# Altium PCB vestibular_vampire.PcbDoc (part 2 of 2) (continued)
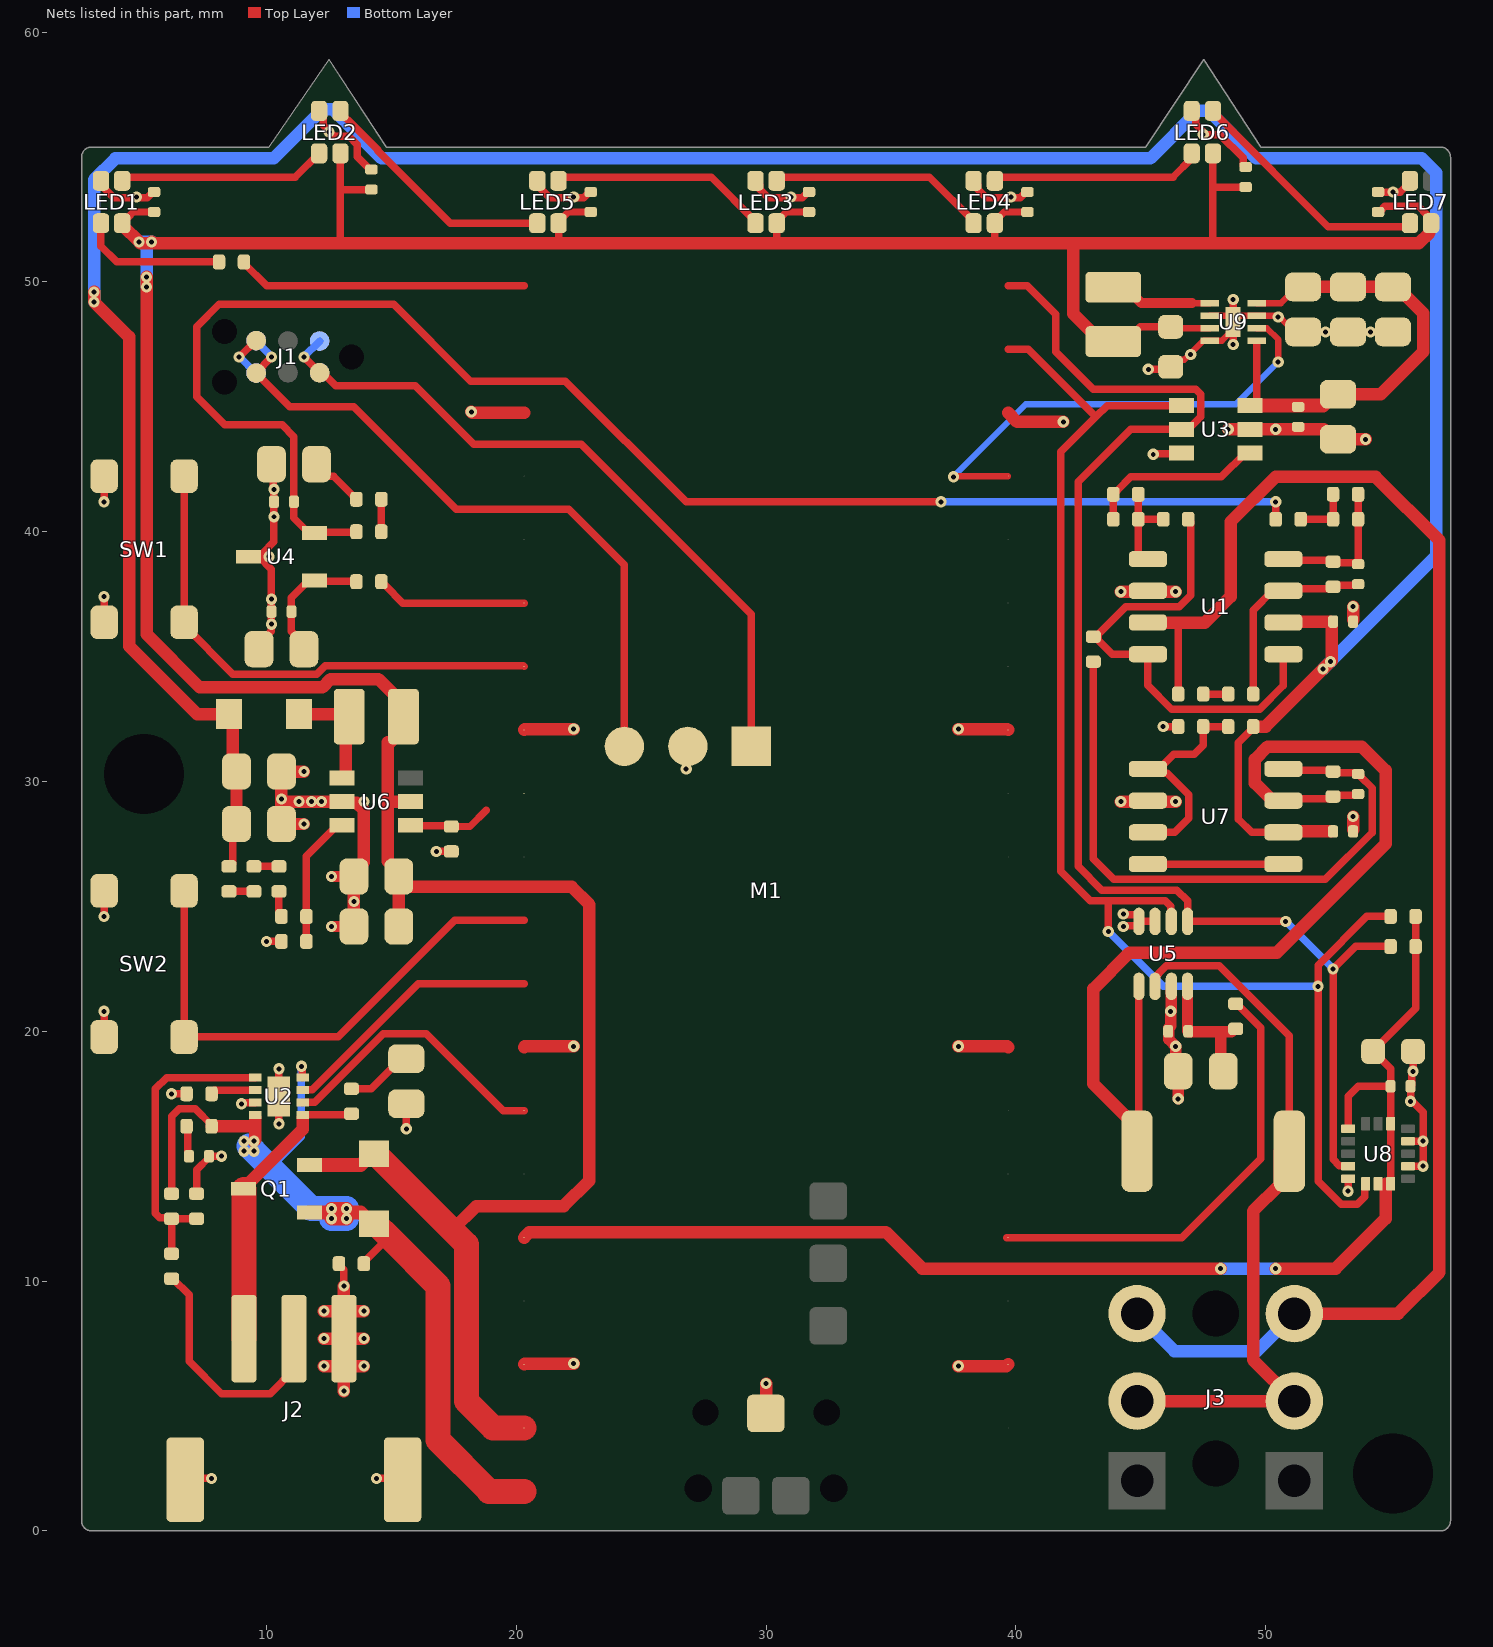
[diagram p2: the nets of this part, all layers, seen from the top]
## Part data (continued)
U5: library part INA219AIDCNR, "12-bit, 26 V, Current monitor, SOT-23-8", Ambient Temperature Range High=85°C, Case/Package=SOT-23-8, Input Offset Voltage (Vos)=100µV, Manufacturer="Texas Instruments", Manufacturer Lifecycle Status=ACTIVE, Max Junction Temperature (Tj)=150°C, Max Operating Temperature=125°C, Max Supply Current=5mA, Max Supply Voltage=26V, Min Input Voltage=0V, Min Operating Temperature=-40°C, Min Supply Voltage=3V, Nominal Supply Current=700µA, Operating Supply Current=1mA, Output Current=10mA, Supplier Part Number 1=C87469, Accuracy=1%, Bandwidth=3.4MHz, Category="Amplifiers - Op Amps, Buffer, Instrumentation", Common Mode Rejection Ratio=100dB, ComponentLink1Description=https://octopart.com:443/opatz8j6/c1?t=DVq09uJr_YdfZ3FRpbOBgPun56EVh337pP3YmMsMgBQtNH6hRcAHRUvxGerFQEBV7m1HzARORBc_wP6s1K2TllUe8djZ8D3A50dxM-TXm_1WtZGsSs9rKauk-HQpUDSZf4lUPI62nM8LWJt3msp5UKlwZreW95VyiTJ2Dr4WnsefFfByjfz4Pr-XpEVfgU679EhLe0aST7zwMe-5YuyqqsAtxcCLEgrONwdDej-2clXOK-cBRd3NGZmje8a8QhigDDw02IpOoivKjdM1wlIeKQ4WXXxBl5NHv561hpyEZKyv6NAKwXJkcYig7bt9qUrtqQLjmPafQrnLdjIA2W2dMCJI4l2lGR1WvT7_B070DjUZK-9N8JxxLah7jZa2Tv7ownM&src-supplier=Texas+Instruments, ComponentLink1URL=https://octopart.com:443/opatz8j6/c1?t=DVq09uJr_YdfZ3FRpbOBgPun56EVh337pP3YmMsMgBQtNH6hRcAHRUvxGerFQEBV7m1HzARORBc_wP6s1K2TllUe8djZ8D3A50dxM-TXm_1WtZGsSs9rKauk-HQpUDSZf4lUPI62nM8LWJt3msp5UKlwZreW95VyiTJ2Dr4WnsefFfByjfz4Pr-XpEVfgU679EhLe0aST7zwMe-5YuyqqsAtxcCLEgrONwdDej-2clXOK-cBRd3NGZmje8a8QhigDDw02IpOoivKjdM1wlIeKQ4WXXxBl5NHv561hpyEZKyv6NAKwXJkcYig7bt9qUrtqQLjmPafQrnLdjIA2W2dMCJI4l2lGR1WvT7_B070DjUZK-9N8JxxLah7jZa2Tv7ownM&src-supplier=Texas+Instruments, ComponentLink2Description=https://datasheet.octopart.com:443/INA219AIDCNR-Texas-Instruments-datasheet-10383171.pdf?src-supplier=Texas+Instruments, ComponentLink2URL=https://datasheet.octopart.com:443/INA219AIDCNR-Texas-Instruments-datasheet-10383171.pdf?src-supplier=Texas+Instruments, ComponentLink3Description=https://datasheet.octopart.com:443/INA219AIDCNR-Texas-Instruments-datasheet-10258484.pdf?src-supplier=Texas+Instruments, ComponentLink3URL=https://datasheet.octopart.com:443/INA219AIDCNR-Texas-Instruments-datasheet-10258484.pdf?src-supplier=Texas+Instruments, ComponentLink4Description=https://sigma.octopart.com:443/49252122/technical_drawing/Texas-Instruments-INA219AIDCNR.pdf?src-supplier=Texas+Instruments, ComponentLink4URL=https://sigma.octopart.com:443/49252122/technical_drawing/Texas-Instruments-INA219AIDCNR.pdf?src-supplier=Texas+Instruments, ComponentLink5Description=https://datasheet.octopart.com:443/INA219AIDCNR-Texas-Instruments-datasheet-102489495.pdf?src-supplier=Upverter, ComponentLink5URL=https://datasheet.octopart.com:443/INA219AIDCNR-Texas-Instruments-datasheet-102489495.pdf?src-supplier=Upverter, ComponentLink6Description=https://datasheet.octopart.com:443/INA219AIDCNR-Texas-Instruments-datasheet-11538655.pdf?src-supplier=Future+Electronics, ComponentLink6URL=https://datasheet.octopart.com:443/INA219AIDCNR-Texas-Instruments-datasheet-11538655.pdf?src-supplier=Future+Electronics, ComponentLink7Description=https://datasheet.octopart.com:443/INA219AIDCNR-Texas-Instruments-datasheet-137316104.pdf?src-supplier=Future+Electronics, ComponentLink7URL=https://datasheet.octopart.com:443/INA219AIDCNR-Texas-Instruments-datasheet-137316104.pdf?src-supplier=Future+Electronics, ComponentLink8Description=https://datasheet.octopart.com:443/INA219AIDCNR-Texas-Instruments-datasheet-24897021.pdf?src-supplier=element14+APAC, ComponentLink8URL=https://datasheet.octopart.com:443/INA219AIDCNR-Texas-Instruments-datasheet-24897021.pdf?src-supplier=element14+APAC, ComponentLink9Description=https://datasheet.octopart.com:443/INA219AIDCNR.-Texas-Instruments-datasheet-62277359.pdf?src-supplier=element14+APAC, ComponentLink9URL=https://datasheet.octopart.com:443/INA219AIDCNR.-Texas-Instruments-datasheet-62277359.pdf?src-supplier=element14+APAC, ComponentLink10Description=https://datasheet.octopart.com:443/INA219AIDCNR-Texas-Instruments-datasheet-164414650.pdf?src-supplier=SHENGYU+ELECTRONICS, ComponentLink10URL=https://datasheet.octopart.com:443/INA219AIDCNR-Texas-Instruments-datasheet-164414650.pdf?src-supplier=SHENGYU+ELECTRONICS, ComponentLink11Description=https://datasheet.octopart.com:443/INA219AIDCNR-Texas-Instruments-datasheet-159115060.pdf?src-supplier=LCSC, ComponentLink11URL=https://datasheet.octopart.com:443/INA219AIDCNR-Texas-Instruments-datasheet-159115060.pdf?src-supplier=LCSC, ComponentLink12Description=https://datasheet.octopart.com:443/INA219AIDCNR-Texas-Instruments-datasheet-140571431.pdf?src-supplier=Arrow.cn, ComponentLink12URL=https://datasheet.octopart.com:443/INA219AIDCNR-Texas-Instruments-datasheet-140571431.pdf?src-supplier=Arrow.cn, ComponentLink13Description=https://datasheet.octopart.com:443/INA219AIDCNR-Texas-Instruments-datasheet-14155040.pdf?src-supplier=iiiC, ComponentLink13URL=https://datasheet.octopart.com:443/INA219AIDCNR-Texas-Instruments-datasheet-14155040.pdf?src-supplier=iiiC, ComponentLink14Description=http://sigma.octopart.com:80/conflict_mineral_statement/Texas-Instruments-company-63.pdf?src-supplier=Compliance+Statements, ComponentLink14URL=http://sigma.octopart.com:80/conflict_mineral_statement/Texas-Instruments-company-63.pdf?src-supplier=Compliance+Statements, ComponentLink15Description=http://sigma.octopart.com:80/reach_statement/Texas-Instruments-company-64.pdf?src-supplier=Compliance+Statements, ComponentLink15URL=http://sigma.octopart.com:80/reach_statement/Texas-Instruments-company-64.pdf?src-supplier=Compliance+Statements, Contact Plating=Gold, Features=I²C, Height=1.45mm, Lead Free="Lead Free", Length=2.9mm, Lifecycle Status=Production, Manufacturer Part Number=INA219AIDCNR, Number of Amplifiers=1, Number of Outputs=1, Output Current per Channel=10mA, Output Type=Digital, Packaging="Cut Tape", Pins=8, Pricing 1="1=4.0454, 1=0.4815, 1=4.4162, 1=0.5534, 10=3.3809, 10=0.4024, 10=3.6908, 10=0.4625, 30=2.9072, 30=0.346, 30=3.1737, 30=0.3977, 100=2.5132, 100=0.2992, 100=2.7436, 100=0.3438, 500=2.389, 500=0.2844, 500=2.6079, 500=0.3268, 1000=2.3217, 1000=0.2764, 1000=2.5345, 1000=0.3176 (CNY)", Quiescent Current=700µA, Radiation Hardening=No, REACH SVHC=No, RoHS=Compliant, Schedule B="8542330000|8542330000|8542330000, 8542330000|8542330000|8542330000|8542330000|8542330000", Stock 1=20380, Supplier 1=LCSC, Thickness=1.1mm, Weight=40.001177mg, Width=1.63mm
U6: "Boost converter, 2A, SOT-23-6", Package=SOT-23-6, Supplier Part Number=C84817, Manufacturer Part Number=MT3608
U8: library part LIS3DHTR, "3-Axis accelerometer, 16-bit, I2C/SPI, LGA-16", Case/Package=LGA-16, Manufacturer=STMicroelectronics, Max Operating Temperature=85°C, Max Supply Voltage=3.6V, Min Operating Temperature=-40°C, Min Supply Voltage=1.71V, Operating Supply Current=11uA, Operating Supply Voltage=2.5V, Package Quantity=4000, Supplier Part Number 1=C15134, Axis="X, Y, Z", Bandwidth=5kHz, Category=Accelerometers, ComponentLink1Description=https://datasheet.ciiva.com/7621/1718591-7621744.pdf?src-supplier=Element14, ComponentLink1URL=https://datasheet.ciiva.com/7621/1718591-7621744.pdf?src-supplier=Element14, ComponentLink2Description=https://datasheet.ciiva.com/5296/cd00274221-117431-5296513.pdf?src-supplier=Mouser, ComponentLink2URL=https://datasheet.ciiva.com/5296/cd00274221-117431-5296513.pdf?src-supplier=Mouser, ComponentLink3Description=https://datasheet.ciiva.com/2810/cd00274221-2810009.pdf?src-supplier=Digikey, ComponentLink3URL=https://datasheet.ciiva.com/2810/cd00274221-2810009.pdf?src-supplier=Digikey, ComponentLink4Description=https://datasheet.ciiva.com/2810/cd00274221-2810008.pdf?src-supplier=Digikey, ComponentLink4URL=https://datasheet.ciiva.com/2810/cd00274221-2810008.pdf?src-supplier=Digikey, ComponentLink5Description=https://datasheet.ciiva.com/2810/cd00274221-2810010.pdf?src-supplier=Digikey, ComponentLink5URL=https://datasheet.ciiva.com/2810/cd00274221-2810010.pdf?src-supplier=Digikey, ComponentLink6Description=https://datasheet.ciiva.com/48495/cd00274221-48495849.pdf?src-supplier=Avnet, ComponentLink6URL=https://datasheet.ciiva.com/48495/cd00274221-48495849.pdf?src-supplier=Avnet, ComponentLink7Description=https://datasheet.ciiva.com/3271/cd00274221-3271807.pdf?src-supplier=Avnet, ComponentLink7URL=https://datasheet.ciiva.com/3271/cd00274221-3271807.pdf?src-supplier=Avnet, ComponentLink8Description=https://datasheet.ciiva.com/16216/cd00274221-16216362.pdf?src-supplier=Future+Electronics, ComponentLink8URL=https://datasheet.ciiva.com/16216/cd00274221-16216362.pdf?src-supplier=Future+Electronics, Depth=3mm, Height=1mm, house_part_number=LIS3DHTR, Interface=I2C,SPI, Lead Free="Lead Free", Length=3mm, Manufacturer Part Number=LIS3DHTR, Max Supply Voltage (DC)=3.6V, Min Supply Voltage (DC)=1.71V, Output Type=Digital, Packaging="Tape and Reel", Pins=16, Pricing="4000=0.94095, 8000=0.92155, 16000=0.90215 (USD)", Radiation Hardening=No, Reach SVHC Compliant=No, Resolution=16b, RoHS=Yes, RoHS Compliant=Yes, Sensor Type="3 Axis", Series=-, Stock=40000, Supplier=Avnet, Supplier 1=LCSC, Supplier Part Number=LIS3DHTR, Width=3mm
U9: library part MIC2876-5.0YMT-TR, "5V Synchronous Boost, UDFN-8", Case/Package=UDFN-8, Manufacturer=Microchip, Max Operating Temperature=125°C, Max Supply Voltage=5.5V, Min Input Voltage=2.5V, Min Operating Temperature=-40°C, Min Output Voltage=5V, Output Current=3.8A, Supplier Part Number=150-MIC2876-5.0YMT-TRCT-ND, Switching Frequency=2MHz, Category="Voltage Regulators - Switching", ComponentLink1Description=http://www.microchip.com/mymicrochip/filehandler.aspx?ddocname=en580787&src-supplier=Digikey, ComponentLink1URL=http://www.microchip.com/mymicrochip/filehandler.aspx?ddocname=en580787&src-supplier=Digikey, ComponentLink2Description=https://datasheet.octopart.com/MIC2876-5.0YMT-TR-Microchip-datasheet-175858781.pdf?src-supplier=Electro+Sonic, ComponentLink2URL=https://datasheet.octopart.com/MIC2876-5.0YMT-TR-Microchip-datasheet-175858781.pdf?src-supplier=Electro+Sonic, ComponentLink3Description=https://datasheet.octopart.com/MIC2876-5.0YMT-TR-Microchip-datasheet-175858781.pdf?src-supplier=microchipDIRECT, ComponentLink3URL=https://datasheet.octopart.com/MIC2876-5.0YMT-TR-Microchip-datasheet-175858781.pdf?src-supplier=microchipDIRECT, ComponentLink4Description=https://datasheet.octopart.com/MIC2876-5.0YMT-TR-Microchip-datasheet-175858781.pdf?src-supplier=Master+Electronics, ComponentLink4URL=https://datasheet.octopart.com/MIC2876-5.0YMT-TR-Microchip-datasheet-175858781.pdf?src-supplier=Master+Electronics, ComponentLink5Description=https://datasheet.octopart.com/MIC2876-5.0YMT-TR-Microchip-datasheet-86810323.pdf?src-supplier=SHENGYU+ELECTRONICS, ComponentLink5URL=https://datasheet.octopart.com/MIC2876-5.0YMT-TR-Microchip-datasheet-86810323.pdf?src-supplier=SHENGYU+ELECTRONICS, ComponentLink6Description=https://datasheet.octopart.com/MIC2876-5.0YMT-TR-Microchip-datasheet-142675560.pdf?src-supplier=TME, ComponentLink6URL=https://datasheet.octopart.com/MIC2876-5.0YMT-TR-Microchip-datasheet-142675560.pdf?src-supplier=TME, Manufacturer Part Number=MIC2876-5.0YMT-TR, Mounting Technology="Surface Mount", Number of Outputs=1, Output Configuration=Positive, Output Type=Fixed, Packaging="Tape and Reel", Pricing="1=0.97, 25=0.8, 100=0.73, 5000=0.73 (USD)", RoHS=Yes, RoHS Compliant=Yes, Series=-, Stock=6514, Supplier=Digikey, Synchronous Rectifier=No, Topology=Boost

## Free pads (board coordinates)
  round 0 hole 3.2 unplated: ""(5.1,30.3) ""(55.1,2.3)

## Via types
v1: diameter 0.45, hole 0.2, Top Layer to Bottom Layer, tented both sides, 112 vias

## Nets (pads, with @x,y where several pads share a name; then routed paths per layer and width w, separated by ;. In a path a pad name is that pad's centre, name@x,y a point inside that pad or via, vN(x,y) a via of type N, cw(c..) or ccw(c..) an arc to the next point about the centre after c; other vN are vias at no path point)
+2.6V: C11.2 R12.2 R18.2 U4.2 | length 60.9
  Top Layer w0.3: R18.2@13.6,40 13.575,39.975 11.95,39.975 U4.2@11.925,39.95 11.7,39.95 11.1,40.55 C11.2@11.1,41.2 11.1,43.8 10.625,44.275 8.325,44.275 7.2,45.4 7.2,48.2 8.1,49.1 15.1,49.1 18.168,46.032 21.968,46.032 26.8,41.2 v1(37,41.2) ; R12.2@50.4,40.5 v1(50.4,41.2)
  Bottom Layer w0.3: v1(37,41.2) v1(50.4,41.2)
+3.3V: C26.2 C27.2 M1.36 R4.2 R5.2 U8.1 U8.7 U8.8 U8.14 | length 52.8
  Top Layer w0.3: U8.1@53.3,16.1 53.3,17.4 53.7,17.8 C27.2@55,17.8 ; U8.7@54.5,13.9 54.8,13.9 U8.8@55,13.9 U8.14@55,16.3 C27.2@55,17.8 ; R5.2@56,24.6 R4.2@56,23.4 56,20.925 54.3,19.225 C26.2@54.3,19.2 55.001,18.499 55.001,17.9 55,17.899 C27.2@55,17.8
  Top Layer w0.5: M1.36@20.31,11.745 20.526,11.961 34.8,11.961 36.261,10.5 v1(48.2,10.5) ; v1(50.4,10.5) 52.8,10.5 54.8,12.5 54.8,13.9
  Bottom Layer w0.5: v1(48.2,10.5) v1(50.4,10.5)
+5V: C10.2 C12.2 C29.2 C30.2 C31.2 U3.3 U9.5 U9.8 | length 18.9
  Top Layer w0.25: U9.8@49.64,49.15 50.612,49.15 51.262,49.8 C29.2@51.5,49.8
  Top Layer w0.3: U3.3@49.64,45.26 U9.5@49.64,47.592
  Top Layer w0.5: C29.2@51.5,49.8 C30.2@53.3,49.8 C31.2@55.1,49.8 55.25,49.8 56.3,48.75 56.3,47.2 54.6,45.5 C10.2@52.9,45.5
  Top Layer w0.55: U3.3@49.375,45.05 52.293,45.05 C10.2@52.743,45.5
+5V_EN: M1.17 U9.6 | length 19.1
  Top Layer w0.25: v1(37.5,42.2) 37.525,42.225 M1.17@39.69,42.225 ; U9.6@49.64,48.15 50.05,48.15 50.5,47.7 v1(50.5,46.8)
  Bottom Layer w0.25: v1(37.5,42.2) 40.4,45.1 48.8,45.1 v1(50.5,46.8)
+24.6V: C16.2 C22.2 C24.2 C25.2 D3.K R31.1 R33.1 U1.6 U7.6 | length 127
  Top Layer w0.3: R33.1@8.5,26.6 8.55,26.6 8.65,26.7 8.65,28.15 C25.2@8.8,28.3 ; R31.1@49.5,32.15 48.9,31.55 48.9,28.5 49.435,27.965 U7.6@50.712,27.965 ; D3.K@8.125,32.254 8.125,32.325 D3.K@8.5,32.7 8.5,32.629 D3.K@8.125,32.254
  Top Layer w0.5: v1(3.1,49.6) v1(3.1,49.2) 4.5,47.8 4.5,35.425 7.225,32.7 D3.K@8.5,32.7 8.65,32.55 8.65,30.55 C24.2@8.8,30.4 C25.2@8.8,28.3 ; R31.1@49.5,32.15 R31.1@49.5,32.2 50,32.2 52.644,34.844 C16.2@52.644,36.236 ; U7.6@50.712,27.965 50.747,28 C22.2@52.609,28 ; U1.6@50.712,36.365 50.747,36.4 C16.2@52.591,36.4
  Bottom Layer w0.5: v1(3.1,49.2) v1(3.1,49.6) 3.1,54.1 3.95,54.95 10.286,54.95 12.243,56.907 12.657,56.907 14.614,54.95 45.386,54.95 47.293,56.857 47.707,56.857 49.614,54.95 56.25,54.95 56.827,54.373 56.827,39.027 v1(52.6,34.8) v1(52.3,34.5)
+24.6V_EN: M1.29 R27.1 U6.4 | length 3.3
  Top Layer w0.3: U6.4@15.775,28.25 15.8,28.225 17.375,28.225 R27.1@17.4,28.2 18.147,28.2 18.804,28.857
ASENSE_EN: M1.5 R24.2 | length 18.1
  Top Layer w0.3: 39.636,11.745 46.645,11.745 49.8,14.9 49.8,20.15 48.85,21.1 R24.2@48.8,21.1
BATT_CHARGING: M1.32 U2.7 | length 10.6
  Top Layer w0.3: U2.7@11.445,17.65 11.455,17.66 11.833,17.66 16.078,21.905 M1.32@20.31,21.905
BATT_FULL: M1.34 U2.6 | length 11.3
  Top Layer w0.3: U2.6@11.445,17.15 11.455,17.16 11.937,17.16 14.677,19.9 16.4,19.9 19.475,16.825 M1.34@20.31,16.825
BATT_NTC: J2.2 R7.1 | length 10
  Top Layer w0.3: R7.1@6.2,10.1 6.25,10.1 6.9,9.45 6.9,6.8 8.2,5.5 10.15,5.5 11.1,6.45 J2.2@11.1,7.7
BUTTON1: M1.27 SW1.3 SW1.4 | length 20.5
  Top Layer w0.3: SW1.4@6.7,42.225 SW1.3@6.7,36.375 6.7,36.25 8.652,34.298 12.021,34.298 12.35,34.627 20.288,34.627 M1.27@20.31,34.605
BUTTON2: M1.31 SW2.3 SW2.4 | length 21.4
  Top Layer w0.3: SW2.4@6.7,25.625 SW2.3@6.7,19.775 12.875,19.775 17.545,24.445 M1.31@20.31,24.445
DAC: R16.2 R17.2 U3.1 | length 7.2
  Top Layer w0.3: R17.2@43.9,40.5 43.9,41.55 44,41.65 44.05,41.65 44.6,42.2 48.225,42.2 49.175,43.15 U3.1@49.375,43.15
GND: C1.1 C2.1 C3.1 C4.1 C5.1 C6.1 C7.1 C8.1 C9.1 C10.1 C11.1 C12.1 C13.1 C14.1 C15.1 C16.1 C18.1 C19.1 C20.1 C21.1 C22.1 C24.1 C25.1 C26.1 C27.1 C28.1 C29.1 C30.1 C31.1 J1.5 J2.3 J2.MP LED1.3 LED2.3 LED3.3 LED4.3 LED5.3 LED6.3 LED7.3 M1.3 M1.8 M1.13 M1.18 M1.23 M1.28 M1.33 M1.38 M1.42 M1.44 R3.1 R8.1 R10.1 R27.2 R30.1 R32.2 SW1.1 SW1.2 SW2.1 SW2.2 U1.2 U2.3 U2.EP U3.2 U3.6 U4.3 U5.3 U5.7 U5.8 U6.2 U7.2 U8.5 U8.10 U8.12 U9.2 U9.4 U9.7 U9.EP | length 126.1
  Top Layer w0.25: C28.1@46.2,46.6 46.481,46.881 46.741,46.881 47.51,47.65 U9.4@47.76,47.65 48.25,47.65 48.7,48.1 U9.EP@48.7,48.4 U9.EP@48.7,48.475 ; U9.2@47.76,48.65 48.525,48.65 U9.EP@48.7,48.475 ; C31.1@55.1,48 C30.1@53.3,48 C29.1@51.5,48 51.15,48.35 50.804,48.35 50.554,48.6 50.446,48.6 50.396,48.65 U9.7@49.64,48.65 48.875,48.65 U9.EP@48.7,48.475
  Top Layer w0.3: LED1.3@3.375,54.05 3.542,53.883 3.542,53.711 3.88,53.373 5.224,53.373 C3.1@5.4,53.549 ; SW2.1@3.5,19.775 v1(3.5,20.8) ; v1(3.5,24.6) SW2.2@3.5,25.625 ; SW1.1@3.5,36.375 v1(3.5,37.4) ; v1(3.5,41.2) SW1.2@3.5,42.225 ; C3.1@5.4,53.55 5.45,53.6 C3.1@5.5,53.6 ; v1(6.2,17.5) R3.1@6.8,17.5 ; J2.MP@6.75,2.05 6.8,2.1 v1(7.8,2.1) ; R8.1@7.2,13.5 7.2,14.45 7.7,14.95 C2.1@7.7,15 v1(8.2,15) ; v1(8.9,47) 8.92,47 9.57,47.65 J1.5@9.59,47.65 ; v1(9,17.1) 9.041,17.1 9.081,17.14 9.545,17.14 U2.3@9.555,17.15 ; U4.3@9.275,39 9.7,39 10.2,38.5 v1(10.2,37.3) C14.1@10.2,36.8 v1(10.2,36.3) 10.2,36.024 9.7,35.524 C9.1@9.7,35.3 ; U4.3@9.6,38.9 9.625,38.925 9.625,39.125 9.825,39.125 10.3,39.6 v1(10.3,40.6) C11.1@10.3,41.2 v1(10.3,41.7) 10.271,41.729 10.271,42.629 C13.1@10.2,42.7 ; v1(10,23.6) R30.1@10.6,23.6 ; v1(10.5,16.3) U2.EP@10.5,17.4 v1(10.5,18.5) ; LED2.3@12.108,56.65 12.227,56.65 12.276,56.601 12.276,56.265 12.5,56.041 v1(12.5,56) 12.541,56 12.714,55.827 13.303,55.827 13.64,55.489 13.64,55.01 14.15,54.5 C4.1@14.2,54.5 ; R10.1@12.9,10.7 12.9,10.65 13.1,10.45 v1(13.1,9.8) ; v1(14.4,2.1) 15.4,2.1 J2.MP@15.45,2.05 ; v1(15.6,16.1) C1.1@15.6,17.1 ; v1(16.8,27.2) R27.2@17.4,27.2 ; LED5.3@20.842,54.05 21.009,53.883 21.009,53.711 21.347,53.373 22.704,53.373 C5.1@22.88,53.549 ; C5.1@22.88,53.55 22.93,53.6 C5.1@22.98,53.6 ; v1(26.8,30.5) 26.829,30.529 26.829,31.371 M1.42@26.866,31.408 ; LED3.3@29.575,54.05 29.742,53.883 29.742,53.711 30.08,53.373 31.444,53.373 C6.1@31.62,53.549 ; C6.1@31.62,53.55 31.67,53.6 C6.1@31.72,53.6 ; LED4.3@38.308,54.05 38.476,53.883 38.476,53.711 38.814,53.373 40.184,53.373 C7.1@40.36,53.549 ; C7.1@40.36,53.55 40.41,53.6 C7.1@40.46,53.6 ; v1(44.3,24.2) 44.329,24.229 44.856,24.229 44.925,24.298 U5.8@44.925,24.4 ; v1(44.3,24.7) 44.329,24.671 44.856,24.671 44.925,24.602 U5.8@44.925,24.4 ; v1(45.3,46.5) 46.1,46.5 C28.1@46.2,46.6 ; v1(45.5,43.1) 45.525,43.125 46.6,43.125 U3.6@46.625,43.15 ; U5.7@45.575,24.4 U5.8@44.925,24.4 ; v1(45.9,32.2) R32.2@46.5,32.2 ; LED6.3@47.042,56.65 47.209,56.483 47.209,56.311 v1@47.547,55.973 ; v1(47.5,55.9) 48.163,55.9 49.1,54.963 49.1,54.65 49.15,54.6 C8.1@49.2,54.6 ; v1(48.7,47.5) U9.EP@48.7,48.1 ; U9.EP@48.7,48.475 v1(48.7,49.3) ; v1(53.3,13.6) U8.5@53.3,14.1 ; C15.1@54.5,53.6 55.393,53.6 55.775,53.982 LED7.3@55.775,54.05 ; U8.10@55.7,14.6 v1(56.3,14.6) ; U8.12@55.7,15.6 v1(56.3,15.6) ; v1(55.8,17.2) C27.1@55.8,17.8 55.85,17.85 55.85,18.309 55.9,18.359 C26.1@55.9,19.2 ; v1@55.9,17.159 56.3,16.759 v1(56.3,15.6) ; v1(56.3,14.6) v1(56.3,15.6)
  Top Layer w0.45: v1(12.6,24.2) C19.1@13.5,24.2 ; v1(12.6,26.2) 13.33,26.2 C21.1@13.5,26.37 ; C20.1@46.125,19.975 46.125,19.675 v1(46.4,19.4) 46.4,18.5 C18.1@46.5,18.4 v1(46.5,17.3) ; C20.1@46.125,20.025 46.125,20.134 46.2,20.209 v1(46.2,20.8) ; v1@46.225,20.825 U5.3@46.225,21.8
  Top Layer w0.5: v1(11.5,28.3) C25.1@10.6,28.3 v1@10.6,29.1 ; v1(11.5,30.4) C24.1@10.6,30.4 v1(10.6,29.3) v1@10.6,29.1 ; v1(12.3,6.6) J2.3@13.1,6.6 ; v1(12.3,7.7) J2.3@13.1,7.7 ; v1(12.3,8.8) J2.3@13.1,8.8 ; v1(13.1,5.6) J2.3@13.1,6.6 ; v1(13.1,9.8) J2.3@13.1,8.8 ; C19.1@13.5,24.2 v1(13.5,25.2) C21.1@13.5,26.2 13.5,26.37 13.902,26.772 13.902,28.857 13.609,29.15 13.075,29.15 U6.2@13.025,29.2 v1(12.2,29.2) v1(11.8,29.2) v1(11.3,29.2) 10.7,29.2 v1@10.6,29.1 ; v1(13.9,6.6) J2.3@13.1,6.6 ; v1(13.9,7.7) J2.3@13.1,7.7 ; v1(13.9,8.8) J2.3@13.1,8.8 ; v1(18.2,44.8) 18.235,44.765 M1.23@20.31,44.765 ; M1.38@20.31,6.665 20.345,6.7 v1(22.3,6.7) ; M1.33@20.31,19.365 20.345,19.4 v1(22.3,19.4) ; M1.28@20.31,32.065 20.345,32.1 v1(22.3,32.1) ; M1.44@29.99,4.708 30,4.718 v1(30,5.9) ; v1(37.7,6.6) 39.625,6.6 M1.3@39.69,6.665 ; v1(37.7,19.4) 39.655,19.4 M1.8@39.69,19.365 ; v1(37.7,32.1) 39.655,32.1 M1.13@39.69,32.065 ; M1.18@39.69,44.765 40.055,44.4 v1(41.9,44.4) ; v1(44.2,29.2) 45.253,29.2 U7.2@45.288,29.235 45.323,29.2 v1(46.4,29.2) ; v1(44.2,37.6) 45.253,37.6 U1.2@45.288,37.635 45.323,37.6 v1(46.4,37.6) ; v1(48.5,44.1) U3.2@49.375,44.1 v1(50.4,44.1) 52.33,44.1 52.73,43.7 C10.1@52.9,43.7 v1(54,43.7) ; C22.1@53.5,28.076 v1(53.5,28.6) ; C16.1@53.5,36.467 v1(53.5,37) ; J2.3@13.1,6.6 J2.3@13.1,7.7 ; J2.3@13.1,7.7 J2.3@13.1,8.8
  Bottom Layer w0.3: v1(8.9,47) 8.92,47 9.57,46.35 J1.5@9.59,46.35
  other v1: 55.9,18.4 13.9,29.2 10.1,39 47,47.1 52.4,48 54.2,48 50.5,48.6 4.8,53.4 22.3,53.4 31,53.4 39.8,53.4 55.1,53.6
NetC1_2: C1.2 R1.1 | length 2.7
  Top Layer w0.3: R1.1@13.4,17.7 14.2,17.7 15.4,18.9 C1.2@15.6,18.9
NetC2_2: C2.2 R2.1 | length 1.2
  Top Layer w0.3: R2.1@6.8,16.2 6.85,16.15 6.85,15.05 C2.2@6.9,15
NetC9_2: C9.2 C14.2 R11.1 U4.1 | length 5.2
  Top Layer w0.3: C9.2@11.5,35.3 11.5,35.524 11,36.024 C14.2@11,36.8 11,37.35 11.7,38.05 U4.1@11.925,38.05 11.95,38.025 13.575,38.025 R11.1@13.6,38
NetC13_2: C13.2 R19.2 | length 2.2
  Top Layer w0.3: C13.2@12,42.7 12,42.631 12.415,42.216 12.684,42.216 13.45,41.45 13.5,41.45 13.6,41.35 R19.2@13.6,41.3
NetC17_1: C17.1 R14.1 R15.1 R21.1 U1.8 | length 5.8
  Top Layer w0.3: U1.8@50.712,38.905 50.764,38.853 52.647,38.853 R21.1@52.7,38.8 52.75,38.75 53.7,38.75 R14.1@53.7,40.5 R15.1@53.7,41.5
NetC17_2: C17.2 R21.2 R25.1 U1.7 | length 8
  Top Layer w0.3: R25.1@49.5,33.5 49.5,36.861 50.274,37.635 U1.7@50.712,37.635 50.794,37.718 52.617,37.718 52.75,37.85 53.65,37.85 C17.2@53.7,37.9
NetC18_2: C18.2 C20.2 R24.1 U5.4 | length 5.3
  Top Layer w0.45: U5.4@46.875,21.8 46.875,20.025 C20.2@46.9,20 ; C20.2@46.925,19.985 48.207,19.985 ; C18.2@48.3,18.4 48.207,18.493 48.207,19.985 ; R24.1@48.775,20.075 48.725,20.075 48.635,19.985 48.207,19.985
NetC23_1: C23.1 R26.2 R37.1 U7.8 | length 25.8
  Top Layer w0.3: R26.2@43.1,34.8 43.1,26.9 43.912,26.088 52.388,26.088 54.259,27.959 54.259,29.741 53.8,30.2 53.8,30.25 53.75,30.3 C23.1@53.7,30.3 ; U7.8@50.712,30.505 50.764,30.453 52.647,30.453 R37.1@52.7,30.4 52.75,30.35 C23.1@53.7,30.35
NetD3_A: D3.A L1.2 U6.1 | length 4.7
  Top Layer w0.5: D3.A@11.3,32.7 13.215,32.7 L1.2@13.315,32.6 13.17,32.455 13.17,30.2 13.12,30.15 U6.1@13.025,30.15
NetJ1_2: J1.2 M1.41 | length 28.4
  Top Layer w0.3: v1(11.5,47) 11.5,46.998 12.13,46.368 J1.2@12.13,46.365 12.262,46.365 12.778,45.849 15.955,45.849 18.304,43.5 22.6,43.5 29.406,36.694 M1.41@29.406,31.408
  Bottom Layer w0.3: v1(11.5,47) 11.5,47.002 12.13,47.633 J1.2@12.13,47.635
NetJ1_6: J1.6 M1.43 | length 27
  Top Layer w0.3: v1(10.2,47) 10.2,46.98 9.59,46.37 J1.6@9.59,46.35 10.94,45 13.5,45 17.6,40.9 22.1,40.9 24.326,38.674 M1.43@24.326,31.408
  Bottom Layer w0.3: J1.6@9.59,47.65 9.59,47.63 10.2,47.02 v1(10.2,47)
NetJ3_R: J3.R R29.2 U5.2 | length 29.5
  Top Layer w0.127: R29.2@50.573,15.2 R29.2@50.95,15.2
  Top Layer w0.3: U5.2@45.575,21.8 45.575,22.166 45.723,22.314 45.723,22.333 46.017,22.627 48.142,22.627 50.95,19.819 R29.2@50.95,15.2
  Top Layer w0.5: J3.R@44.85,5.2 J3.R@51.15,5.2 49.5,6.85 49.5,12.8 50.573,13.873 R29.2@50.573,15.2
NetL2_2: L2.2 U9.1 | length 4.1
  Top Layer w0.25: 47.046,49.15 U9.1@47.76,49.15
  Top Layer w0.4: L2.2@43.9,49.785 44.395,49.785 45.03,49.15 47.046,49.15
NetLED1_1: LED1.1 LED2.4 | length 8.3
  Top Layer w0.3: LED1.1@4.225,54.05 4.375,54.2 11.158,54.2 LED2.4@12.108,55.15
NetLED1_4: LED1.4 R9.2 | length 5.9
  Top Layer w0.3: LED1.4@3.375,52.35 3.375,51.425 4,50.8 R9.2@8.1,50.8
NetLED2_1: LED2.1 LED5.4 | length 9.8
  Top Layer w0.3: LED2.1@12.958,56.85 12.958,56.782 13.486,56.254 13.489,56.254 14.45,55.293 14.45,55.255 17.355,52.35 LED5.4@20.842,52.35
NetLED3_1: LED3.1 LED4.4 | length 8.8
  Top Layer w0.3: LED3.1@30.425,54.05 30.575,54.2 36.533,54.2 38.308,52.425 LED4.4@38.308,52.35
NetLED3_4: LED3.4 LED5.1 | length 8.8
  Top Layer w0.3: LED5.1@21.692,54.05 21.842,54.2 27.8,54.2 29.575,52.425 LED3.4@29.575,52.35
NetLED4_1: LED4.1 LED6.4 | length 8.3
  Top Layer w0.3: LED4.1@39.158,54.05 39.308,54.2 46.292,54.2 LED6.4@47.042,54.95
NetLED6_1: LED6.1 LED7.4 | length 9.9
  Top Layer w0.3: LED6.1@47.861,56.841 47.861,56.813 48.066,56.608 48.094,56.608 52.502,52.2 55.625,52.2 LED7.4@55.775,52.35
NetR3_2: R3.2 U2.2 | length 1.8
  Top Layer w0.3: R3.2@7.8,17.5 7.8,17.54 7.9,17.64 9.545,17.64 U2.2@9.555,17.65
NetR6_2: R6.2 R7.2 R8.2 U2.1 | length 12.3
  Top Layer w0.3: R7.2@6.2,11.1 R6.2@6.2,12.5 ; R8.2@7.2,12.5 R6.2@6.2,12.5 ; U2.1@9.555,18.15 6.004,18.15 5.55,17.696 5.55,12.715 5.726,12.539 6.161,12.539 R6.2@6.2,12.5
NetR12_1: R12.1 R14.2 R15.2 | length 3.2
  Top Layer w0.3: R12.1@51.4,40.5 R14.2@52.7,40.5 52.7,41.35 R15.2@52.7,41.5 R14.2@52.7,40.607
NetR16_1: R16.1 R17.1 R20.1 U1.1 | length 3.9
  Top Layer w0.3: R16.1@44.9,41.5 R17.1@44.9,40.5 ; U1.1@45.288,38.905 45.074,38.905 44.9,39.079 R17.1@44.9,40.5 ; R20.1@45.9,40.5 R17.1@44.9,40.5
NetR18_1: R18.1 R19.1 | length 1.3
  Top Layer w0.3: R18.1@14.6,40 R19.1@14.6,41.3
NetR20_2: R20.2 R26.1 U1.4 U1.5 | length 18.9
  Top Layer w0.3: R26.1@43.1,35.8 43.2,35.8 R26.1@43.302,35.903 ; U1.4@45.288,35.095 U1.4@45.285,35.098 ; R20.2@46.9,40.5 47,40.4 47,37.454 46.546,37 44.4,37 R26.1@43.302,35.903 ; U1.5@50.712,35.095 50.712,33.843 49.769,32.9 46.231,32.9 45.285,33.846 U1.4@45.285,35.098 ; R26.1@43.302,35.903 43.302,35.654 43.859,35.098 U1.4@45.285,35.098
NetR25_2: R25.2 R28.1 | length 1
  Top Layer w0.3: R28.1@47.5,33.5 R25.2@48.5,33.5
NetR30_2: R30.2 R36.1 U6.3 | length 5.4
  Top Layer w0.3: R30.2@11.6,23.6 R36.1@11.6,24.6 11.588,24.613 11.588,27.013 12.825,28.25 U6.3@13.025,28.25
NetR31_2: R31.2 R32.1 U7.1 U7.3 | length 8.8
  Top Layer w0.3: U7.3@45.288,27.965 46.365,27.965 46.927,28.527 46.927,29.473 46.062,30.338 45.9,30.338 45.895,30.342 45.895,30.505 45.626,30.505 U7.1@45.288,30.505 ; U7.1@45.814,30.586 46.324,31.097 47.147,31.097 47.5,31.45 R32.1@47.5,32.2 R31.2@48.5,32.2
NetR33_2: R33.2 R34.2 | length 1
  Top Layer w0.3: R33.2@8.5,25.6 R34.2@9.5,25.6
NetR34_1: R34.1 R35.1 | length 1
  Top Layer w0.3: R34.1@9.5,26.6 R35.1@10.5,26.6
NetR35_2: R35.2 R36.2 | length 1
  Top Layer w0.3: R35.2@10.5,25.6 10.5,24.7 R36.2@10.6,24.6
NetU7_4: U7.4 U7.5 | length 5.4
  Top Layer w0.3: U7.4@45.288,26.695 U7.5@50.712,26.695
OUT_A: J3.T R28.2 U1.3 | length 64.3
  Top Layer w0.3: U1.3@45.288,36.365 46.435,36.365 46.5,36.3 R28.2@46.5,33.5
  Top Layer w0.5: U1.3@45.288,36.365 45.725,36.365 46.435,36.365 47.565,36.365 48.6,37.4 48.6,40.4 50.4,42.2 54.4,42.2 56.95,39.65 56.95,10.35 55.3,8.7 J3.T@51.15,8.7
  Bottom Layer w0.5: J3.T@44.85,8.7 46.35,7.2 49.65,7.2 J3.T@51.15,8.7
OUT_B: C23.2 R29.1 R37.2 U5.1 U7.7 | length 42.2
  Top Layer w0.127: R29.1@44.499,15.493 44.557,15.493 R29.1@44.85,15.2
  Top Layer w0.3: R29.1@44.499,15.493 44.925,15.919 U5.1@44.925,21.8 ; U7.7@50.712,29.235 50.794,29.318 R37.2@52.617,29.318 ; R37.2@52.7,29.4 R37.2@52.617,29.318 ; C23.2@53.7,29.5 53.65,29.45 52.75,29.45 R37.2@52.617,29.318
  Top Layer w0.5: R29.1@44.499,15.493 44.499,16.515 44.439,16.575 44.425,16.575 43.1,17.9 43.1,21.7 44.554,23.154 50.454,23.154 54.8,27.5 54.8,30.445 53.845,31.4 50.082,31.4 49.572,30.891 49.572,29.937 50.274,29.235 U7.7@50.712,29.235
RGB_LED: M1.21 R9.1 | length 11.6
  Top Layer w0.3: R9.1@9.1,50.8 9.1,50.75 10.005,49.845 M1.21@20.31,49.845
SCL: M1.20 R4.1 U3.5 U5.5 U8.4 | length 56.1
  Top Layer w0.3: M1.20@39.69,49.845 40.455,49.845 41.6,48.7 41.6,47.2 43.1,45.7 44.6,45.7 47.2,45.7 47.402,45.498 47.402,44.602 47.05,44.25 46.775,44.25 U3.5@46.625,44.1 44.6,44.1 42.5,42 42.5,26.6 43.446,25.654 46.446,25.654 46.875,25.225 U5.5@46.875,24.4 v1(50.8,24.4) ; U8.4@53.3,14.6 53.275,14.625 52.954,14.625 52.7,14.879 v1(52.7,22.5) 53.6,23.4 R4.1@55,23.4
  Bottom Layer w0.3: v1(50.8,24.4) v1(52.7,22.5)
SDA: M1.19 R5.1 U3.4 U5.6 U8.6 | length 58.4
  Top Layer w0.3: M1.19@39.69,47.305 40.495,47.305 43.2,44.6 ; v1(43.7,24) 43.7,25.227 ; U5.6@46.225,24.4 46.196,24.429 46.196,25.004 45.973,25.227 43.7,25.227 ; U3.4@46.625,45.05 43.65,45.05 43.2,44.6 ; U8.6@54,13.9 53.975,13.875 53.975,13.375 53.673,13.073 53.027,13.073 52.1,14 v1(52.1,21.8) 52.1,22.646 54.054,24.6 R5.1@55,24.6 ; 43.2,44.6 41.8,43.2 41.8,26.4 42.973,25.227 43.7,25.227
  Bottom Layer w0.3: v1(43.7,24) 45.9,21.8 v1(52.1,21.8)
VBAT: J2.1 Q1.3 R1.2 U2.5 | length 11.9
  Top Layer w0.3: U2.5@11.445,16.65 11.455,16.66 13.36,16.66 R1.2@13.4,16.7
  Top Layer w0.5: Q1.3@9.075,13.7 9.3,13.7 9.325,13.725 9.325,13.95 11.445,16.07 U2.5@11.445,16.541
  Top Layer w1: J2.1@9.1,7.7 Q1.3@9.1,13.675
VBUS: D1.A M1.40 Q1.1 R2.2 R6.1 R10.2 U2.4 U2.8 | length 37.3
  Top Layer w0.3: R6.1@6.2,13.5 6.2,16.6 6.5,16.9 7.15,16.9 7.8,16.25 R2.2@7.8,16.2 ; v1(11.4,18.6) 11.422,18.578 11.422,18.16 11.432,18.15 U2.8@11.445,18.15 ; R10.2@13.9,10.7 13.9,10.75 14.638,11.488 14.988,11.488
  Top Layer w0.5: R2.2@7.8,16.2 9.555,16.2 ; v1(9.5,15.6) 9.555,15.655 9.555,16.2 ; U2.4@9.555,16.531 9.555,16.2
  Top Layer w0.55: Q1.1@11.725,12.75 v1@12.45,12.75 ; v1(12.6,12.5) v1(13.2,12.5) ; v1(12.6,12.9) v1(13.2,12.9) ; v1@13.2,12.75 13.775,12.75 14.225,12.3 D1.A@14.3,12.3
  Top Layer w1: D1.A@14.3,12.3 14.375,12.3 14.913,11.762 16.866,9.809 16.866,3.634 18.915,1.585 M1.40@20.31,1.585
  Bottom Layer w0.3: v1(9.1,15.6) v1(9.5,15.6) ; 10.312,14.688 11.4,15.776 v1(11.4,18.6)
  Bottom Layer w1: 9.3,15.4 v1(9.5,15.2) 11.8,12.9 v1(12.6,12.9) v1(13.2,12.9) ; v1(12.6,12.5) v1(13.2,12.5)
  other v1: 9.1,15.2
VREF_EN: M1.26 R11.2 | length 6.1
  Top Layer w0.3: R11.2@14.6,38 14.6,37.95 14.7,37.85 14.75,37.85 15.455,37.145 M1.26@20.31,37.145
VSYS: C3.2 C4.2 C5.2 C6.2 C7.2 C8.2 C15.2 C19.2 C21.2 C28.2 D1.K L1.1 L2.1 LED1.2 LED2.2 LED3.2 LED4.2 LED5.2 LED6.2 LED7.2 M1.39 Q1.2 U6.5 U9.3 | length 163.3
  Top Layer w0.25: C28.2@46.2,48.2 46.25,48.15 U9.3@47.76,48.15
  Top Layer w0.3: LED1.2@4.225,52.418 4.399,52.592 4.467,52.592 4.675,52.8 C3.2@5.5,52.8 ; 12.958,51.55 12.958,53.7 ; LED2.2@12.958,54.95 12.958,53.7 ; C4.2@14.2,53.7 12.958,53.7 ; LED5.2@21.692,52.35 21.692,51.558 21.7,51.55 ; LED5.2@21.692,52.418 22.073,52.8 C5.2@22.98,52.8 ; 30.4,51.55 30.425,51.575 LED3.2@30.425,52.35 ; LED3.2@30.425,52.418 30.807,52.8 C6.2@31.72,52.8 ; 39.1,51.55 39.158,51.608 LED4.2@39.158,52.35 ; LED4.2@39.158,52.418 39.54,52.8 C7.2@40.46,52.8 ; L2.1@43.9,47.615 44.397,47.615 44.982,48.2 C28.2@46.2,48.2 ; 47.892,51.55 47.892,53.8 LED6.2@47.892,54.95 ; 47.993,53.8 C8.2@49.2,53.8 ; C15.2@54.5,52.8 54.55,52.8 C15.2@54.6,52.85 ; C15.2@54.6,52.851 54.776,53.027 56.12,53.027 56.458,52.689 56.458,52.517 LED7.2@56.625,52.35
  Top Layer w0.5: LED1.2@4.225,52.35 4.225,52.275 v1@4.95,51.55 ; v1(4.9,51.6) v1@4.95,51.55 ; v1(5.2,50.2) v1(5.2,49.8) 5.2,35.9 7.329,33.771 12.24,33.771 12.569,34.1 14.48,34.1 15.485,33.095 15.485,32.105 14.957,31.577 14.857,31.577 14.857,29.2 ; v1(5.4,51.6) v1@5.4,51.55 ; C19.2@15.3,24.2 C21.2@15.3,26.07 ; U6.5@15.775,29.2 14.857,29.2 ; 17.438,12.037 18.4,13 21.9,13 22.927,14.027 22.927,25.073 22.221,25.779 15.591,25.779 C21.2@15.3,26.07 ; L2.1@43.9,47.615 43.405,47.615 42.3,48.72 42.3,51.55 ; LED7.2@56.625,52.35 56.55,52.275 56.55,51.962 56.138,51.55 47.892,51.55 42.3,51.55 ; v1@4.95,51.55 v1@5.4,51.55 ; v1@5.4,51.55 12.958,51.55 21.7,51.55 30.4,51.55 39.1,51.55 42.3,51.55 ; 14.857,29.2 14.857,26.813 15.3,26.37 C21.2@15.3,26.07
  Top Layer w0.55: Q1.2@11.725,14.65 13.775,14.65 14.225,15.1 D1.K@14.3,15.1
  Top Layer w1: D1.K@14.3,15.1 14.375,15.1 17.438,12.037 18,11.475 18,5.2 19.075,4.125 M1.39@20.31,4.125
  Bottom Layer w0.5: v1(4.9,51.6) v1(5.4,51.6) ; v1(5.2,49.8) v1(5.2,50.2) 5.2,51.4
pads on no net: J1. J1.1 J1.3 J1.4 J3. J3.S LED7.1 M1. M1.1 M1.2 M1.4 M1.6 M1.7 M1.9 M1.10 M1.11 M1.12 M1.14 M1.15 M1.16 M1.22 M1.24 M1.25 M1.30 M1.35 M1.37 M1.45 M1.46 M1.47 M1.48 M1.49 U6.6 U8.2 U8.3 U8.9 U8.11 U8.13 U8.15 U8.16

## Polygon pours and split planes (outlines as drawn)
GND on Bottom Layer "NONET_L-01_P-001" (solid, pour order 0): 2.6,0 2.6,58.9 57.4,58.9 57.4,0

## Other copper
Bottom Layer:
  pour cut-out: 18.7,32.9 41.4,32.9 41.4,52.8 18.7,52.8

## Silkscreen, mask and mechanical layers (free items; w line width, h text height)
Top Overlay:
  lines w0.2: 54.2,10.9 53.7,11.4 54.2,11.9 ; 55.2,9.8 55.7,9.3 ; 55.2,11.4 53.9,11.4 ; 55.7,10.9 55.7,9.3 ; 56.2,9.8 55.7,9.3 ; 53.9,11.4 53.9,11.4 ; 53.9,11.4 53.9,11.4 ; 55.7,9.3 55.7,9.3
Bottom Overlay:
  drawing of 36 lines, arcs and shapes, not listed
  text ".Print_Date" at 25.49,53.931 h2 r180
  text "'.Project' V'.Revision'" at 20.412,51.865 h2 r180
Mechanical 1:
  circle w0.006: c10.7,2.5 r0.003

## Text inside footprints (layer, text, board x,y; h text height)
J2: Top Overlay "3" at 14.919,9.631 h2 r180; Top Overlay "1" at 8.036,9.642 h2 r180
J3: Bottom Overlay "T" at 48.867,9.4 h1 r180; Bottom Overlay "S" at 48.867,2.7 h1 r180; Bottom Overlay "R" at 48.867,5.9 h1 r180
U8: Top Overlay "Z" at 55.321,12.12 h1.5; Top Overlay "X" at 53.46,12.22 h1.5; Top Overlay "Y" at 56.361,9.12 h1.5